# Altium PCB BGA_ACUity.PcbDoc (part 5 of 6) (continued)
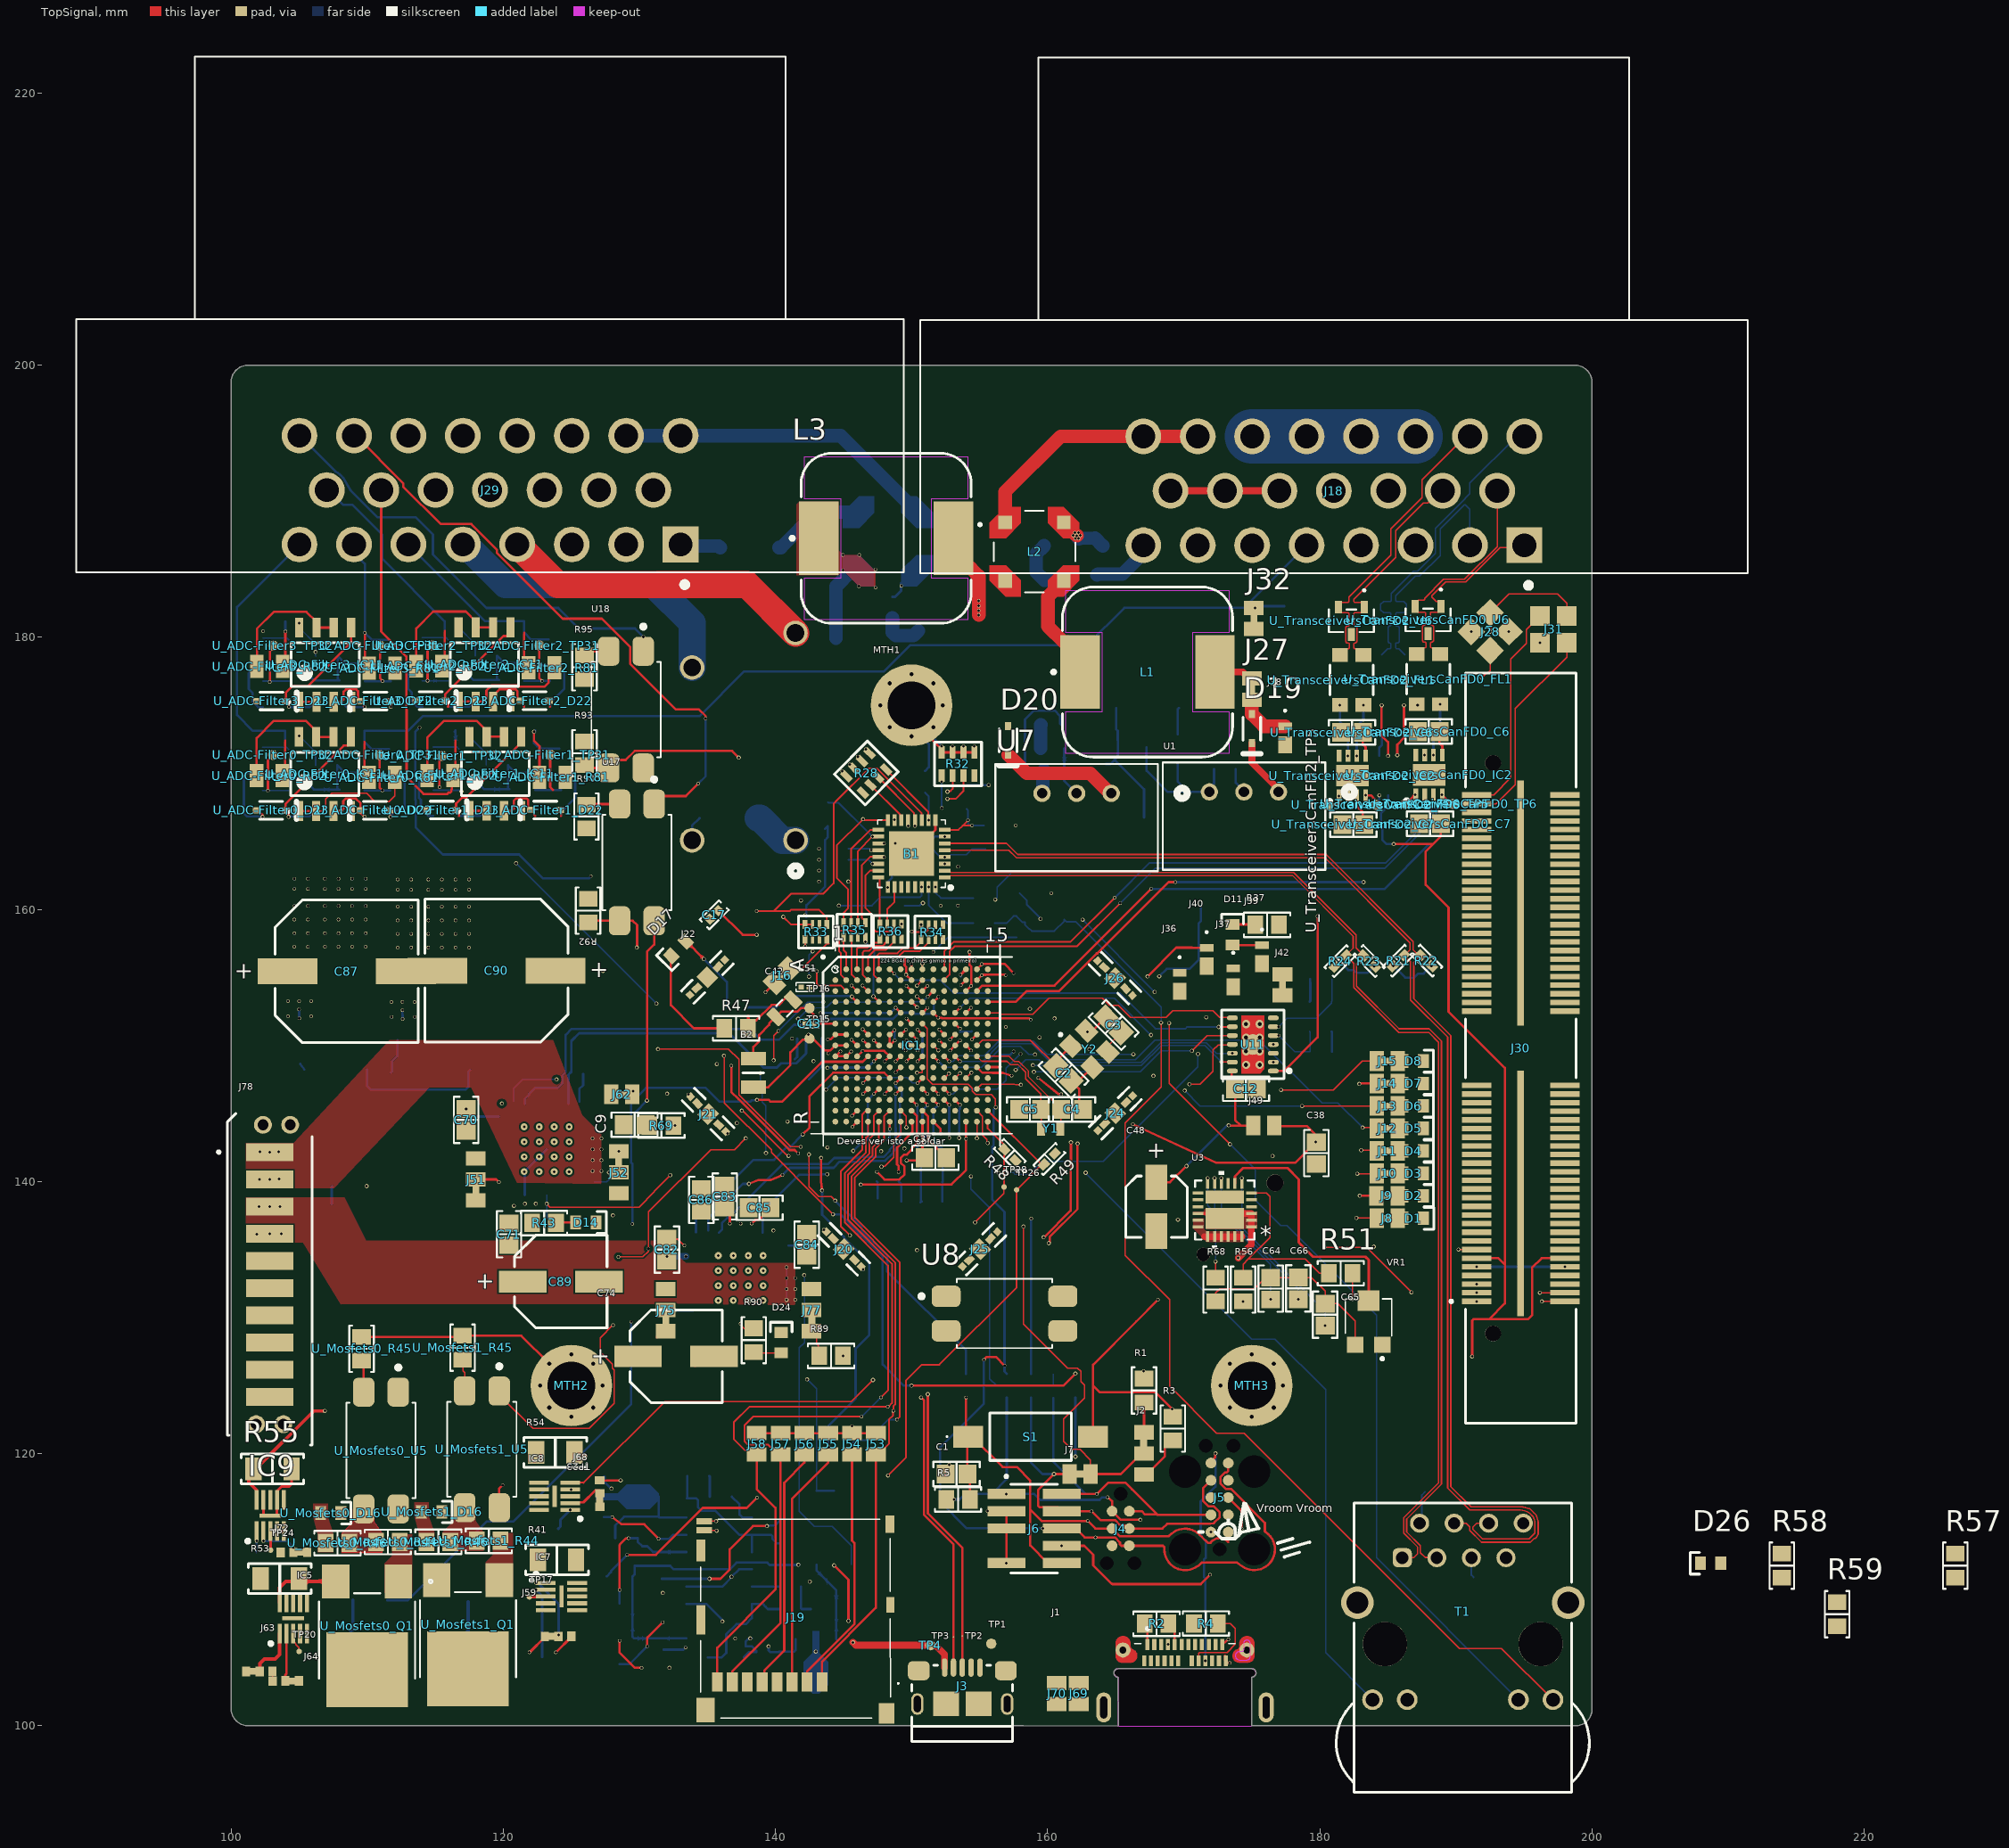
[diagram p0: TopSignal view]
## Nets (pads, with @x,y where several pads share a name; then routed paths per layer and width w, separated by ;. In a path a pad name is that pad's centre, name@x,y a point inside that pad or via, vN(x,y) a via of type N, cw(c..) or ccw(c..) an arc to the next point about the centre after c; other vN are vias at no path point) (continued)
NetD10_2: D10.2 L2.4 pad.1@161.874,187.477 pad.1@162.001,187.681 pad.1@162.027,187.249 pad.1@162.145,187.468 pad.1@162.255,187.681 pad.1@162.281,187.249 pad.1@162.408,187.477 | length 3.6
  TopSignal w1: L2.4@161.179,188.434 pad.1@162.145,187.468
  BottomSignal w1: pad.1@162.145,187.468 162.21,187.362 162.213,187.357 pad.1@162.281,187.249 162.415,187.253 163.475,187.29 D10.2@164.05,186.715
NetD11_K: D11.K R37.2 | length 1.7
  TopSignal w0.191: D11.K@173.584,158.89 175.219,158.89 R37.2@175.246,158.864
NetD12_2: D12.2 IC6.1 | length 2
  BottomSignal w0.171: D12.2@169.545,172.861 169.545,174.704 IC6.1@169.635,174.794
NetD13_K: D13.K R40.1 | length 14.8
  Ground w0.171: v1(163.068,149.733) 163.755,150.42 163.755,150.643 v1(168.197,155.086)
  BottomSignal w0.171: v1(168.197,155.086) 168.742,155.63 170.429,155.63 171.107,156.309 171.107,158.975 171.258,159.126 R40.1@171.258,160.198
NetD14_A: D14.A R43.1 | length 1.5
  TopSignal w0.171: R43.1@123.875,136.95 123.925,137 D14.A@125.325,137
NetD17_A: D17.A J17.P0 | length 6.1
  TopSignal w0.171: D17.A@133.411,157.649 133.429,157.667 v5(134.744,156.352)
  BottomSignal w0.171: v5(134.744,156.352) 136.425,154.67 J17.P0@136.425,152.8
NetD17_K: D17.K R47.1 | length 8.3
  TopSignal w0.171: D17.K@132.351,156.589 132.315,156.553 132.315,152.952 134.01,151.257 R47.1@136.234,151.257
NetD19_2: D19.2 U1.1 | length 4.4
  TopSignal w0.512: D19.2@175,172.232 175,170.796 176.962,168.834 U1.1@176.962,168.631
NetD20_2: D20.2 U7.1 | length 8.7
  TopSignal w1: D20.2@157.099,171.36 158.464,169.995 163.129,169.995 164.595,168.529 U7.1@164.668,168.529
NetD21_2: D21.2 L4.4 | length 6.9
  BottomSignal w1: D21.2@140.25,186.588 140.4,186.588 143.007,189.196 L4.4@146.11,189.196
NetD24_A: D24.A R90.1 | length 2
  TopSignal w0.09: R90.1@138.409,127.462 138.466,127.405 D24.A@140.419,127.405
NetD25_K: D25.K R50.2 | length 1.7
  BottomSignal w1: R50.2@159.475,171.831 159.475,173.545 D25.K@159.499,173.569
NetD26_A: D26.A R58.2 R59.1
NetIC1_E9: IC1.E9 J2.P1 J7.P0 pad.1@151.155,152.756 | length 47.5
  TopSignal w0.09: v1(158.223,136.691) 158.223,129.518 161.471,126.27 162.2,126.27 162.431,126.039 162.431,125.31 162.711,125.03 162.711,124.098 161.167,122.554 161.167,120.912 161.775,120.303 162.394,120.303 163.148,119.549 J7.P0@163.148,118.5
  TopSignal w0.171: IC1.E9@150.8,152.4 150.833,152.398 pad.1@151.155,152.756 ; J7.P0@163.148,118.5 165.366,118.5 166.881,120.015 J2.P1@167.081,120.015
  Power w0.09: pad.1@151.155,152.756 151.497,152.414 151.497,147.863 152.008,147.351 153.957,147.351 155.195,146.113 155.195,140.692 158.223,137.664 v1(158.223,136.691)
NetIC1_L4: IC1.L4 J28.RX_1 J31.RX_0 pad.1@146.432,147.232 | length 80.2
  TopSignal w0.09: v2(146.432,147.232) IC1.L4@146.8,147.6 ; v1(191.898,177.031) 192.223,177.356 192.314,177.356 192.51,177.551 J28.RX_1@192.51,179.025
  Ground w0.09: v2(146.432,147.232) 146,146.8 146,145.023 146.06,144.962 146.06,143.142 146.971,142.231 v1(147.769,142.231) ; v1(149.474,142.421) 154.114,142.421 155.88,140.654 v1(156.368,140.654) ; v1(171.654,152.067) 174.134,154.548 174.134,154.661 190.69,171.217 190.69,175.823 v1(191.898,177.031) 195.269,177.031 196.183,177.945 v1(196.183,179.602)
  Power w0.09: v1(147.769,142.231) 149.261,142.231 149.45,142.421 v1(149.474,142.421) ; v1(171.045,149.377) 171.045,151.458 v1(171.654,152.067)
  BottomSignal w0.09: v1(156.368,140.654) 157.485,140.654 157.6,140.539 158.66,140.539 159.595,141.473 164.085,141.473 171.045,148.433 v1(171.045,149.377)
NetIC1_M4: IC1.M4 J28.TX_1 J31.TX_0 pad.1@146.432,146.432 | length 103.3
  TopSignal w0.09: J28.TX_1@192.51,181.791 192.514,181.791 193.901,183.177 197.462,183.177 198.139,182.501 J31.TX_0@198.139,181.558
  TopSignal w0.171: pad.1@146.432,146.432 IC1.M4@146.8,146.8 ; v1(192.502,180.415) 192.51,180.423 J28.TX_1@192.51,181.791
  Power w0.171: pad.1@146.432,146.432 146,146 143.534,146 140.333,142.799 140.333,141.26 140.942,140.652 140.942,140.195 143.109,138.028 155.868,138.028 157.64,136.256 159.052,136.256 165.073,142.277 174.854,142.277 177.734,145.158 177.734,151.853 189.296,163.414 189.296,168.143 191.803,170.65 191.803,172.775 192.508,173.481 192.508,180.409 v1(192.502,180.415)
NetIC1_R13: IC1.R13 J16.P0 pad.1@136.756,148.512 pad.1@139.265,153.915 pad.1@141.674,142.07 pad.1@154,143.141 | length 33.3
  TopSignal w0.171: pad.1@136.756,148.512 136.756,146.561 137.296,146.054 137.299,146.05 141.033,142.316 141.407,142.316 141.652,142.07 pad.1@141.674,142.07 ; pad.1@139.265,153.915 J16.P0@139.927,154.577 ; v1(146.267,139.775) 146.273,139.781 152.938,139.781 154,140.843 pad.1@154,143.141 IC1.R13@154,144.4
  Ground w0.171: pad.1@136.756,148.512 136.756,151.406 pad.1@139.265,153.915
  Power w0.171: pad.1@141.674,142.07 143.357,140.35 143.612,140.095 v1(146.267,139.775)
NetIC5_1: IC5.1 J63.P1 | length 3.8
  TopSignal w0.251: J63.P1@102.108,103.993 102.108,104.208 102.117,104.217 102.117,104.572 102.448,104.903 103.241,104.903 103.572,105.233 IC5.1@103.572,106.768
NetIC5_2: IC5.2 J64.P1 | length 3.5
  TopSignal w0.191: J64.P1@103.994,103.303 103.994,103.74 104.072,103.818 IC5.2@104.072,106.768
NetIC5_3: IC5.3 TP20.P2 | length 1.6
  TopSignal w0.09: IC5.3@104.572,106.768 104.572,106.193 104.677,106.088 104.722,106.088 104.775,106.035 104.775,105.982 105,105.757 TP20.P2@105,105.392
NetIC7_1: IC7.1 J59.P1 pad.1@122.405,110.499 pad.1@124.058,106.675 | length 4.6
  BottomSignal w0.191: pad.1@122.405,110.499 122.416,110.488 122.546,110.488 124.058,108.976 pad.1@124.058,106.675
NetIC7_2: IC7.2 J60.P1 pad.1@122.405,109.999 | length 5.1
  BottomSignal w0.171: pad.1@122.405,109.999 122.862,109.543 J60.P1@122.862,105.045
NetIC7_3: IC7.3 TP17.P2 | length 1.2
  TopSignal w0.254: TP17.P2@121.92,109.474 121.933,109.487 123.117,109.487 IC7.3@123.13,109.499
NetIC8_1: IC8.1 J66.P1 pad.1@124.924,115.865 | length 1.8
  BottomSignal w0.191: J66.P1@124.026,114.462 124.199,114.635 124.199,115.14 pad.1@124.924,115.865
NetIC8_2: IC8.2 J68.P1 | length 2.7
  TopSignal w0.191: IC8.2@124.924,116.365 124.979,116.42 125.888,116.42 126.756,117.288 127.094,117.288 127.097,117.285 J68.P1@127.097,117.097
NetIC8_3: IC8.3 TP23.P2
NetIC9_1: IC9.1 J67.P1 pad.1@101.879,113.575 | length 0.8
  BottomSignal w0.191: J67.P1@101.854,112.776 101.879,112.801 pad.1@101.879,113.575
NetIC9_2: IC9.2 J72.P1 pad.1@102.379,113.575 pad.1@104.588,113.101 | length 2.4
  BottomSignal w0.171: pad.1@102.379,113.575 104.113,113.575 pad.1@104.588,113.101
NetIC9_3: IC9.3 TP24.P2 | length 1.4
  TopSignal w0.191: IC9.3@102.879,114.3 102.896,114.284 102.896,112.929 TP24.P2@102.912,112.912
NetIC10_2: IC10.2 R76.2 R79.1 | length 4.5
  TopSignal w0.171: v1(144.303,111.788) 145.362,110.729 v1(145.362,107.709)
NetJ1_A5: J1.A5 R2.2 | length 1.7
  TopSignal w0.171: R2.2@168.875,107.5 169.338,107.037 J1.A5@169.338,105.976
NetJ1_B5: J1.B5 R4.1 | length 6.1
  TopSignal w0.09: J1.B5@171.088,104.776 171.088,105.313 171.162,105.387 173.18,105.387 173.787,105.994 173.787,107.137 173.406,107.518 R4.1@172.503,107.518
NetJ2_P0: J2.P0 R1.1 | length 2.2
  TopSignal w0.171: J2.P0@167.081,121.565 R1.1@167.081,123.763
NetJ2_P2: J2.P2 R3.2 | length 3.6
  TopSignal w0.171: J2.P2@167.081,118.466 167.281,118.466 168.6,119.784 168.6,120.479 169.089,120.969 R3.2@169.189,120.969
NetJ18_4: J18.4 J28.TX_0 | length 10.7
  Ground w0.171: J18.4@183.028,186.762 186.273,183.517 188.017,183.517 v1(191.127,180.408)
NetJ18_12: J18.12 J28.RX_0 | length 18.5
  Ground w0.171: J18.12@181.028,190.762 183.076,188.714 187.964,188.714 188.837,187.84 188.837,185.494 190.182,184.149 190.182,184.118 v1(193.893,180.408)
NetJ27_P1: J27.P1 L1.2 | length 2.9
  TopSignal w0.512: L1.2@172.285,177.444 174.322,177.444 174.8,176.966 J27.P1@175,176.966
NetJ30_101: J30.101 J31.TX_1 | length 15.4
  TopSignal w0.096: J30.101@191.516,167.767 192.956,167.767 194.351,169.163 194.351,174.752 198.139,178.54 J31.TX_1@198.139,179.602
NetJ30_103: J30.103 J31.RX_1 | length 15.8
  TopSignal w0.096: J30.103@191.516,168.402 192.765,168.402 194.041,169.678 194.041,178.413 195.171,179.543 195.171,180.546 195.506,180.881 J31.RX_1@196.183,181.558
NetJ51_P1: J51.P1 U2.26 | length 1.8
  TopSignal w0.191: J51.P1@117.975,140.15 119.487,140.15 v2(119.686,139.951)
NetJ52_P1: J52.P1 U2.16 | length 1.7
  BottomSignal w0.09: U2.16@126.69,139.967 127.593,139.967 127.775,140.149 v6(127.775,140.674)
NetJ62_P1: J62.P1 U2.10
NetJ71_P1: J71.P1 L3.2 pad.1@154.941,181.637 pad.1@154.941,181.961 pad.1@154.941,182.302 pad.1@154.941,182.686 | length 6.6
  TopSignal w1: L3.2@153.083,187.274 153.083,186.024 154.033,185.074 154.355,185.074 154.941,184.488 pad.1@154.941,182.686 pad.1@154.941,182.302 pad.1@154.941,181.961 pad.1@154.941,181.637
NetJ75_P1: J75.P1 pad.1@132.65,130.55 U16.26 | length 1.3
  BottomSignal w0.171: pad.1@132.65,130.55 132.671,130.55 132.721,130.5 U16.26@133.95,130.5
NetJ76_P1: J76.P1 U16.10 | length 2
  BottomSignal w0.171: U16.10@140.95,135.3 142.45,135.3 J76.P1@142.8,134.95
NetJ77_P1: J77.P1 U16.16
NetQ8_2: Q8.2 R73.1 | length 11.3
  TopSignal w0.171: v1(135.152,110.803) 135.947,110.803 136.643,111.499 136.643,112.966 138.351,114.674 v1(139.378,114.674)
  BottomSignal w0.171: Q8.2@131.65,110.803 v1(135.152,110.803) v1@135.178,110.776 ; v1(139.378,114.674) 139.413,114.674 139.454,114.714 139.963,114.714 R73.1@140.302,115.054
NetQ9_3: Q9.3 Q10.2 | length 21.7
  Power w0.171: v1(127.953,117.433) 127.953,116.435 136.636,107.752 138.506,107.752 140.802,105.457 v1(142.964,105.457)
  BottomSignal w0.171: Q9.3@127.413,118.333 127.447,118.299 127.447,117.927 127.941,117.433 v1(127.953,117.433)
NetQ11_1: pad.1@128.549,106.239 pad.1@130.162,104.26 Q11.1 Q13.3 R80.2 | length 2.9
  TopSignal w0.171: pad.1@128.549,106.239 128.549,105.38 129.669,104.26 pad.1@130.162,104.26
NetQ12_2: pad.1@133.406,105.747 Q12.2 R78.1 | length 1.7
  BottomSignal w0.171: Q12.2@131.777,105.596 133.234,105.596 133.385,105.747 pad.1@133.406,105.747
NetR19_1: R19.1 R20.1 T1.10
NetR25_1: R25.1 R38.2 T1.11 | length 76.5
  TopSignal w0.09: v1(168.92,151.649) 168.92,147.217 v1(173.395,142.743)
  Ground w0.09: v1(167.862,153.929) 167.88,153.929 168.92,152.889 v1(168.92,151.649)
  Power w0.09: v1(159.475,159.3) 159.527,159.248 v1(162.572,159.248)
  BottomSignal w0.09: v1(162.572,159.248) 162.572,159.233 167.862,153.943 v1(167.862,153.929) ; v1(173.395,142.743) 175.256,140.882 175.256,138.634 177.117,136.772 177.57,136.772 184.154,130.188 184.154,112.351 T1.11@194.585,101.92
  BottomSignal w0.131: R25.1@157.95,161.175 158.46,160.665 158.46,160.365 R38.2@159.475,159.35 ; R38.2@159.475,159.25 v1(159.475,159.3)
NetR32_8: R32.8 TP14.P2
NetR33_3: R33.3 R33.4 Y4.3 | length 2.4
  TopSignal w0.131: v1(140.575,159.45) 141.13,158.895 R33.4@142.175,158.895 R33.3@142.725,158.895
NetR42_1: R42.1 U2.8 | length 2.1
  BottomSignal w0.171: U2.8@125.59,145.867 125.59,146.792 125.875,147.077 R42.1@125.875,147.892
NetR51_1: R51.1 R56.2 U3.6 | length 14.6
  TopSignal w0.09: R56.2@174.359,132.932 174.359,133.907 174.745,134.292 ; U3.6@174.964,139.154 176.078,139.154 176.339,138.893 176.339,135.886 174.745,134.292 ; R51.1@180.659,133.256 179.963,133.256 178.927,134.292 174.745,134.292
NetR51_2: R51.2 R68.2 U3.12 | length 21.7
  TopSignal w0.09: v1(172.338,134.124) 172.345,134.116 R68.2@172.345,132.931 ; v1(182.409,131.375) R51.2@182.409,133.256
  Ground w0.09: 172.345,132.931 172.345,131.631 173.548,130.428 181.463,130.428 v1(182.409,131.375)
  BottomSignal w0.09: v1(171.761,140.248) 171.761,138.237 172.338,137.66 v1(172.338,134.124)
NetR57_2: R57.2 U8.1
NetR58_1: R58.1 U8.3
NetR69_1: R69.1 U16.8 | length 10.7
  Ground w0.09: v1(132.625,144.114) 132.625,143.625 v1(139.85,136.4)
NetR94_2: R94.2 U17.2 | length 2.5
  TopSignal w0.171: R94.2@126.111,167.702 126.148,167.739 U17.2@128.549,167.739
NetR95_2: R95.2 U18.2 | length 1.9
  TopSignal w0.09: R95.2@125.974,178.67 R95.2@126.276,178.972
  TopSignal w0.171: R95.2@126.276,178.972 U18.2@127.749,178.972
NetU3_8: U3.8 VR1.2 | length 19.1
  TopSignal w0.191: U3.8@173.761,139.857 173.761,140.393 174.356,140.988 177.621,140.988 178.451,140.158 178.451,135.524 179.501,134.473 183.346,134.473 183.584,134.235 VR1.2@183.584,131.25
NetU3_13: U3.13 U8.2
NetU_ADC-Filter0_C78_2: U_ADC-Filter0_C78.2 U_ADC-Filter0_D22.2 U_ADC-Filter0_IC11.3 U_ADC-Filter0_R83.2 | length 4
  TopSignal w0.171: U_ADC-Filter0_IC11.3@107.525,167.225 v1(108.081,167.225) 108.249,167.393 108.249,167.969 108.418,168.137 109.172,168.137 109.518,167.791 109.518,167.084 v1(109.811,166.791) v1@109.811,166.826
NetU_ADC-Filter0_C88_2: U_ADC-Filter0_C88.2 U_ADC-Filter0_D23.2 U_ADC-Filter0_IC11.5 U_ADC-Filter0_R84.1 | length 10.2
  TopSignal w0.171: v1@104.223,166.841 104.218,166.846 104.218,167.143 104.078,167.283 U_ADC-Filter0_D23.2@104.008,167.283 104.008,167.764 108.279,172.035 108.58,172.035 108.795,172.25 U_ADC-Filter0_IC11.5@108.795,172.675
  BottomSignal w0.171: U_ADC-Filter0_R84.1@104.223,166.841 105.762,166.841 U_ADC-Filter0_C88.2@106.128,167.207
  other v1: 104.223,166.791
NetU_ADC-Filter0_IC11_1: U_ADC-Filter0_IC11.1 U_ADC-Filter0_IC11.2 U_ADC-Filter0_R81.1 | length 9.7
  TopSignal w0.09: U_ADC-Filter0_IC11.2@106.255,167.225 106.653,167.225 106.956,167.528 106.956,168.1 107.409,168.553 109.953,168.553 110.573,167.933 111.61,167.933 112.031,168.354 U_ADC-Filter0_R81.1@112.031,169.696
  TopSignal w0.171: U_ADC-Filter0_IC11.1@104.985,167.225 U_ADC-Filter0_IC11.2@106.255,167.225
NetU_ADC-Filter0_IC11_6: U_ADC-Filter0_IC11.6 U_ADC-Filter0_IC11.7 U_ADC-Filter0_R82.2 | length 9.7
  TopSignal w0.171: U_ADC-Filter0_R82.2@101.876,169.823 101.883,169.83 101.883,172.596 103.122,173.835 105.52,173.835 106.255,173.1 U_ADC-Filter0_IC11.7@106.255,172.675 U_ADC-Filter0_IC11.6@107.525,172.675
NetU_ADC-Filter1_C78_2: U_ADC-Filter1_C78.2 U_ADC-Filter1_D22.2 U_ADC-Filter1_IC11.3 U_ADC-Filter1_R83.2 | length 4
  TopSignal w0.171: U_ADC-Filter1_IC11.3@120.054,167.242 120.61,167.242 120.779,167.411 120.779,167.986 120.947,168.154 121.702,168.154 121.838,168.018 121.838,167.44 121.977,167.3 U_ADC-Filter1_D22.2@122.047,167.3 122.117,167.3 122.257,167.161 122.257,166.963 122.34,166.88 122.34,166.858
NetU_ADC-Filter1_C88_2: U_ADC-Filter1_C88.2 U_ADC-Filter1_D23.2 U_ADC-Filter1_IC11.5 U_ADC-Filter1_R84.1 | length 10.2
  TopSignal w0.171: 116.752,166.858 116.747,166.864 116.747,167.161 116.607,167.3 U_ADC-Filter1_D23.2@116.537,167.3 116.537,167.781 116.985,168.229 117.286,168.229 121.324,172.267 U_ADC-Filter1_IC11.5@121.324,172.692
  BottomSignal w0.171: U_ADC-Filter1_R84.1@116.752,166.858 118.291,166.858 U_ADC-Filter1_C88.2@118.657,167.224
NetU_ADC-Filter1_IC11_1: U_ADC-Filter1_IC11.1 U_ADC-Filter1_IC11.2 U_ADC-Filter1_R81.1 | length 1.3
  TopSignal w0.171: U_ADC-Filter1_IC11.1@117.514,167.242 U_ADC-Filter1_IC11.2@118.784,167.242
NetU_ADC-Filter1_IC11_6: U_ADC-Filter1_IC11.6 U_ADC-Filter1_IC11.7 U_ADC-Filter1_R82.2 | length 9.7
  TopSignal w0.171: U_ADC-Filter1_R82.2@114.405,169.84 114.412,169.847 114.412,172.614 115.651,173.853 118.049,173.853 118.784,173.117 U_ADC-Filter1_IC11.7@118.784,172.692 U_ADC-Filter1_IC11.6@120.054,172.692
NetU_ADC-Filter2_C78_2: U_ADC-Filter2_C78.2 U_ADC-Filter2_D22.2 U_ADC-Filter2_IC11.3 U_ADC-Filter2_R83.2 | length 4
  TopSignal w0.171: U_ADC-Filter2_IC11.3@119.253,175.276 119.253,175.701 119.74,176.188 120.9,176.188 121.036,176.052 121.036,175.474 U_ADC-Filter2_D22.2@121.176,175.334 ; U_ADC-Filter2_D22.2@121.246,175.334 U_ADC-Filter2_D22.2@121.176,175.334 ; 121.539,174.892 121.539,174.913 121.456,174.997 121.456,175.194 121.316,175.334 U_ADC-Filter2_D22.2@121.176,175.334
NetU_ADC-Filter2_C88_2: U_ADC-Filter2_C88.2 U_ADC-Filter2_D23.2 U_ADC-Filter2_IC11.5 U_ADC-Filter2_R84.1 | length 10.2
  TopSignal w0.171: 115.951,174.892 115.946,174.897 115.946,175.194 115.806,175.334 U_ADC-Filter2_D23.2@115.736,175.334 115.736,175.815 120.007,180.086 120.308,180.086 120.523,180.301 U_ADC-Filter2_IC11.5@120.523,180.726
  BottomSignal w0.171: U_ADC-Filter2_R84.1@115.951,174.892 117.49,174.892 U_ADC-Filter2_C88.2@117.856,175.258
NetU_ADC-Filter2_IC11_1: U_ADC-Filter2_IC11.1 U_ADC-Filter2_IC11.2 U_ADC-Filter2_R81.1 | length 8.9
  TopSignal w0.171: U_ADC-Filter2_IC11.1@116.713,175.276 U_ADC-Filter2_IC11.2@117.983,175.276 118.539,175.276 118.766,175.503 118.766,176.078 119.148,176.46 121.035,176.46 121.138,176.357 123.025,176.357 123.344,176.676 123.344,177.332 U_ADC-Filter2_R81.1@123.759,177.747
NetU_ADC-Filter2_IC11_6: U_ADC-Filter2_IC11.6 U_ADC-Filter2_IC11.7 U_ADC-Filter2_R82.2 | length 9.7
  TopSignal w0.171: U_ADC-Filter2_R82.2@113.604,177.874 113.611,177.881 113.611,180.647 114.85,181.886 117.248,181.886 117.983,181.151 U_ADC-Filter2_IC11.7@117.983,180.726 U_ADC-Filter2_IC11.6@119.253,180.726
NetU_ADC-Filter3_C78_2: pad.1@108.105,175.256 pad.1@109.835,174.872 U_ADC-Filter3_C78.2 U_ADC-Filter3_D22.2 U_ADC-Filter3_IC11.3 U_ADC-Filter3_R83.2 | length 5.9
  TopSignal w0.171: U_ADC-Filter3_IC11.3@107.549,175.256 pad.1@108.105,175.256 108.273,175.424 108.273,176 108.442,176.168 109.196,176.168 109.332,176.032 109.332,175.454 109.472,175.314 U_ADC-Filter3_D22.2@109.542,175.314 109.612,175.314 109.752,175.174 109.752,174.977 109.835,174.893 pad.1@109.835,174.872
  BottomSignal w0.171: pad.1@108.105,175.256 108.489,174.872 pad.1@109.835,174.872
NetU_ADC-Filter3_C88_2: pad.1@104.247,174.872 U_ADC-Filter3_C88.2 U_ADC-Filter3_D23.2 U_ADC-Filter3_IC11.5 U_ADC-Filter3_R84.1 | length 10.7
  TopSignal w0.171: pad.1@104.247,174.872 104.242,174.877 104.242,175.174 104.102,175.314 U_ADC-Filter3_D23.2@104.032,175.314 104.032,175.932 104.494,176.394 105.619,176.394 108.819,179.594 U_ADC-Filter3_IC11.5@108.819,180.706
  BottomSignal w0.171: pad.1@104.247,174.872 105.786,174.872 U_ADC-Filter3_C88.2@106.152,175.238
NetU_ADC-Filter3_IC11_1: U_ADC-Filter3_IC11.1 U_ADC-Filter3_IC11.2 U_ADC-Filter3_R81.1 | length 1.3
  TopSignal w0.171: U_ADC-Filter3_IC11.1@105.009,175.256 U_ADC-Filter3_IC11.2@106.279,175.256
NetU_ADC-Filter3_IC11_6: U_ADC-Filter3_IC11.6 U_ADC-Filter3_IC11.7 U_ADC-Filter3_R82.2 | length 9.7
  TopSignal w0.171: U_ADC-Filter3_R82.2@101.9,177.854 101.907,177.861 101.907,180.627 103.146,181.866 105.544,181.866 106.279,181.131 U_ADC-Filter3_IC11.7@106.279,180.706 U_ADC-Filter3_IC11.6@107.549,180.706
NetU_Mosfets0_D16_A: U_Mosfets0_D16.A U_Mosfets0_R46.1
NetU_Mosfets0_Q1_1: U_Mosfets0_Q1.1 U_Mosfets0_R44.2
NetU_Mosfets0_R44_1: U_Mosfets0_R44.1 U_Mosfets0_R46.2 U_Mosfets0_U5.3
NetU_Mosfets0_R45_2: U_Mosfets0_R45.2 U_Mosfets0_U5.2 | length 2.6
  TopSignal w0.171: U_Mosfets0_R45.2@109.595,126.832 109.647,126.884 109.784,126.884 109.75,126.849 U_Mosfets0_U5.2@109.75,124.522
NetU_Mosfets1_D16_A: U_Mosfets1_D16.A U_Mosfets1_R46.1
NetU_Mosfets1_Q1_1: U_Mosfets1_Q1.1 U_Mosfets1_R44.2
NetU_Mosfets1_R44_1: U_Mosfets1_R44.1 U_Mosfets1_R46.2 U_Mosfets1_U5.3
NetU_Mosfets1_R45_2: U_Mosfets1_R45.2 U_Mosfets1_U5.2 | length 2.4
  TopSignal w0.09: U_Mosfets1_R45.2@117.011,126.917 117.031,126.897 117.031,126.075 117.166,125.94 U_Mosfets1_U5.2@117.166,124.607
NetU_Mosfets2_D16_A: U_Mosfets2_D16.A U_Mosfets2_R46.1
NetU_Mosfets2_Q1_1: U_Mosfets2_Q1.1 U_Mosfets2_R44.2
NetU_Mosfets2_R44_1: U_Mosfets2_R44.1 U_Mosfets2_R46.2 U_Mosfets2_U5.3
NetU_Mosfets2_R45_2: U_Mosfets2_R45.2 U_Mosfets2_U5.2 | length 2.4
  BottomSignal w0.251: U_Mosfets2_R45.2@117.265,106.806 117.42,106.961 U_Mosfets2_U5.2@117.42,109.116
NetU_Mosfets3_D16_A: U_Mosfets3_D16.A U_Mosfets3_R46.1
NetU_Mosfets3_Q1_1: U_Mosfets3_Q1.1 U_Mosfets3_R44.2
NetU_Mosfets3_R44_1: U_Mosfets3_R44.1 U_Mosfets3_R46.2 U_Mosfets3_U5.3
NetU_Mosfets3_R45_2: U_Mosfets3_R45.2 U_Mosfets3_U5.2 | length 2.4
  BottomSignal w0.251: U_Mosfets3_R45.2@108.793,106.921 108.948,107.076 U_Mosfets3_U5.2@108.948,109.231
NetU_Mosfets4_D16_A: U_Mosfets4_D16.A U_Mosfets4_R46.1
NetU_Mosfets4_Q1_1: U_Mosfets4_Q1.1 U_Mosfets4_R44.2
NetU_Mosfets4_R44_1: U_Mosfets4_R44.1 U_Mosfets4_R46.2 U_Mosfets4_U5.3
NetU_Mosfets4_R45_2: U_Mosfets4_R45.2 U_Mosfets4_U5.2 | length 1.3
  BottomSignal w0.171: U_Mosfets4_R45.2@107.396,138.326 107.396,139.631 U_Mosfets4_U5.2@107.427,139.661
NetU_Mosfets5_D16_A: U_Mosfets5_D16.A U_Mosfets5_R46.1 | length 2.6
  BottomSignal w0.171: U_Mosfets5_D16.A@111.75,148 111.826,148.076 111.826,148.825 112.217,149.216 U_Mosfets5_R46.1@112.217,150.394
NetU_Mosfets5_Q1_1: U_Mosfets5_Q1.1 U_Mosfets5_R44.2
NetU_Mosfets5_R44_1: U_Mosfets5_R44.1 U_Mosfets5_R46.2 U_Mosfets5_U5.3
NetU_Mosfets5_R45_2: U_Mosfets5_R45.2 U_Mosfets5_U5.2
NetU_TransceiversCanFD0_FL1_1: U_TransceiversCanFD0_FL1.1 U_TransceiversCanFD0_IC2.6 | length 3.9
  BottomSignal w0.171: v1(188.345,171.343) 188.345,172.618 188.835,173.108 v1(188.835,175.078)
NetU_TransceiversCanFD0_FL1_4: U_TransceiversCanFD0_FL1.4 U_TransceiversCanFD0_IC2.7 | length 3.9
  Ground w0.171: v1(187.181,175) 187.156,174.975 187.156,174.064 187.695,173.525 v1(187.695,171.343)
NetU_TransceiversCanFD1_FL1_1: U_TransceiversCanFD1_FL1.1 U_TransceiversCanFD1_IC2.6 | length 3.9
  TopSignal w0.171: v1@184.526,175.019 184.526,172.787 185.016,172.297 v1(185.016,171.284)
  other v1: 184.545,175
NetU_TransceiversCanFD1_FL1_4: U_TransceiversCanFD1_FL1.4 U_TransceiversCanFD1_IC2.7 | length 3.9
  TopSignal w0.171: v1(185.687,171.334) 185.687,172.109 186.18,172.602 v1(186.18,175)
NetU_TransceiversCanFD2_FL1_1: U_TransceiversCanFD2_FL1.1 U_TransceiversCanFD2_IC2.6 | length 3.9
  BottomSignal w0.171: v1(182.71,171.283) 182.71,173.467 183.201,173.958 v1@183.201,175.017
  other v1: 183.201,175
NetU_TransceiversCanFD2_FL1_4: U_TransceiversCanFD2_FL1.4 U_TransceiversCanFD2_IC2.7 | length 4
  BottomSignal w0.171: v1(181.47,175.018) 181.47,173.798 182.06,173.208 v1(182.06,171.283)
"OSC 1_5": C13.2 pad.1@176.975,151.375 U11.6 Y3.1 | length 6.4
  BottomSignal w0.113: pad.1@176.975,151.375 177.591,151.991 179.747,151.991 180.855,153.1 Y3.1@180.855,153.225 180.893,153.263 C13.2@180.893,154.876
"OSC 2_5": C14.2 pad.1@176.975,150.725 U11.5 Y3.3 | length 4.3
  BottomSignal w0.113: pad.1@176.975,150.725 178.158,149.542 C14.2@179.293,149.542 179.293,150.987 Y3.3@179.255,151.025
Outdown_11: Q10.1 R74.1 U15.3 | length 10.8
  Power w0.171: v1(136.101,107.672) 136.394,107.38 136.503,107.38 136.506,107.378 138.263,107.378 139.488,106.153 v1(139.488,105.827)
  BottomSignal w0.171: U15.3@133.444,108.959 134.925,108.959 136.076,107.807 136.076,107.697 v1(136.101,107.672) ; v1(139.488,105.827) 139.497,105.818 139.497,105.533 139.627,105.403 R74.1@140.238,105.403 140.292,105.457 141.369,105.457 141.469,105.557 Q10.1@141.469,106.354
OUTPUT1: J78.01 pad.1@126.565,140.767 pad.1@126.565,141.567 pad.1@126.565,142.367 pad.1@126.565,143.167 pad.1@127.215,140.767 pad.1@127.215,141.567 pad.1@127.215,142.367 pad.1@127.215,143.167 U2.12 U2.13 U2.14 U2.15
  other v2: 102.845,142.163 102.132,142.18 103.499,142.187
OUTPUT2: J78.02 U2.27 U2.28 U2.29 U2.30
  other v2: 102.103,140.153 102.845,140.163 103.518,140.175
OUTPUT3: J78.03 U16.12 U16.13 U16.14 U16.15 | length 2.4
  BottomSignal w0.09: v1(140.825,131.3) v2(140.825,132.1) v2(140.825,132.9) v2(140.825,133.7)
  other v2: 141.475,131.3 141.475,132.1 141.475,132.9 102.044,138.16 102.845,138.163 103.605,138.166
OUTPUT4: J78.04 U16.27 U16.28 U16.29 U16.30
  other v2: 101.903,136.129 102.845,136.163 103.695,136.159
Outup_11: pad.1@128.013,115.333 pad.1@131.412,113.747 Q9.1 R70.1 U4.3 | length 6.8
  TopSignal w0.171: pad.1@128.013,115.333 128.629,114.86 128.675,114.825 130.375,114.825 130.375,114.784 pad.1@131.412,113.747
  BottomSignal w0.171: Q9.1@127.413,115.333 pad.1@128.013,115.333 ; R70.1@131.412,113.722 pad.1@131.412,113.747 132.195,113.747 132.487,114.039 U4.3@133.444,114.039
POWER_GND: C9.1 C11.1 C57.1 C64.2 C65.2 C66.2 C71.1 C72.1 C73.1 C74.2 C83.1 C84.1 C85.1 C86.1 C87.2 C89.2 C90.2 D14.K D24.K IC5.7 IC5.9 IC5.11 IC7.7 IC7.9 IC7.11 IC8.7 IC8.9 IC8.11 IC9.7 IC9.9 IC9.11 J51.P0 J52.P2 J59.P0 J60.P2 J63.P0 J64.P0 J66.P2 J67.P2 J68.P0 J72.P2 J75.P0 J77.P2 J79.P0 L4.2 pad.1@104.196,152.151 pad.1@104.196,153.251 pad.1@104.996,152.651 pad.1@104.996,153.251 pad.1@105.017,151.997 pad.1@105.897,152.151 pad.1@105.897,153.251 pad.1@111.793,152.094 pad.1@111.793,153.194 pad.1@112.593,152.594 pad.1@112.593,153.194 pad.1@112.613,151.941 pad.1@113.492,152.094 pad.1@113.492,153.194 pad.1@121.92,105.404 pad.1@137.45,136.9 pad.1@149.249,183.781 R41.1 R42.2 R50.1 R53.1 R54.1 R55.1 R68.1 R69.2 R94.1 R95.1 U2.5 U2.18 U2.19 U2.20 U2.22 U2.23 U2.24 U3.4 U3.5 U3.14 U3.26 U7.2 U16.5 U16.18 U16.19 U16.20 U16.22 U16.23 U16.24 U_Mosfets0_D16.K U_Mosfets1_D16.K U_Mosfets2_D16.K U_Mosfets3_D16.K U_Mosfets4_D16.K U_Mosfets4_Q1.3 U_Mosfets5_D16.K U_Mosfets5_Q1.3 VR1.3 | length 36.3
  TopSignal w0.09: R68.1@172.345,131.181 172.345,131.815 172.652,132.122 175.192,132.122 175.998,132.928 C64.2@176.385,132.928 176.385,132.944 C66.2@178.414,132.944 179.392,132.944 180.391,131.944 C65.2@180.391,131.015 181.314,131.015 182.584,129.745 VR1.3@182.584,128
  TopSignal w0.191: IC9.9@102.379,116.6 102.379,115.505 102.434,115.45 IC9.11@102.879,115.45 103.325,115.45 103.379,115.505 IC9.7@103.379,116.6 103.434,116.655 103.434,117.308 103.709,117.584 104.268,117.584 104.445,117.761 R55.1@104.445,118.872 ; pad.1@121.92,105.404 121.931,105.416 121.955,105.416 123.058,106.519 J59.P0@123.058,106.569 ; J75.P0@131.295,128.57 131.725,129 J75.P0@131.925,129 ; C74.2@134.104,126.445 134.809,127.15 C74.2@135.5,127.15
  BottomSignal w0.171: pad.1@104.996,152.651 105.002,152.651 105.009,152.006 pad.1@105.017,151.997 ; U_Mosfets4_D16.K@105.077,148.637 U_Mosfets4_D16.K@105.392,148.223 ; pad.1@112.593,152.594 112.598,152.594 112.605,151.95 pad.1@112.613,151.941
  BottomSignal w0.191: U2.23@121.59,139.017 121.59,140.767 v3(122.64,141.817) U2.5@123.19,142.367 ; J79.P0@148.59,182.969 148.79,182.969 149.22,183.399 149.22,183.988 ; R50.1@161.225,171.831 161.225,169.432 U7.2@162.128,168.529
  other v3: 135.8,131.25 136.9,131.25 138,131.25 139.1,131.25 135.8,132.35 136.9,132.35 138,132.35 139.1,132.35 135.8,133.45 136.9,133.45 138,133.45 139.1,133.45 135.8,134.55 136.9,134.55 138,134.55 139.1,134.55 121.54,140.717 122.64,140.717 123.74,140.717 124.84,140.717 121.54,141.817 123.74,141.817 124.84,141.817 121.54,142.917 122.64,142.917 123.74,142.917 124.84,142.917 121.54,144.017 122.64,144.017 123.74,144.017 124.84,144.017
  other v6: 120.79,138.217 121.59,138.367 122.39,138.367
Pulse_11: pad.1@129.1,112.562 pad.1@138.64,116.764 Q7.1 Q13.1 R52.1 | length 13.5
  TopSignal w0.171: pad.1@129.1,112.562 131.22,112.562 134.666,116.008 137.884,116.008 pad.1@138.64,116.764
  BottomSignal w0.171: Q7.1@127.599,110.975 127.914,111.289 127.914,111.375 pad.1@129.1,112.562
RAW_GND: J18.22 J18.23 L2.1 | length 18.1
  TopSignal w1: L2.1@156.879,188.434 156.879,190.689 160.952,194.762 J18.23@167.028,194.762 J18.22@171.028,194.762
RAW_POWER_GND: J29.16 J29.17 L4.1 | length 23.7
  BottomSignal w1: J29.17@129.031,194.818 J29.16@133.031,194.818 144.787,194.818 L4.1@150.41,189.196